# Altium PCB Diff_to_SingleEnded.PcbDoc (part 1 of 2)
Units mil, origin at the board's own origin, x right, y up, seen from the top; angles counter-clockwise.
Board outline 2637.8 x 3543.31 mil, 4 copper layers (Top Layer, GND, 5V, Bottom Layer), stack 23.756 mil thick; 147 components, 99 nets, 427 pads, 69 vias.
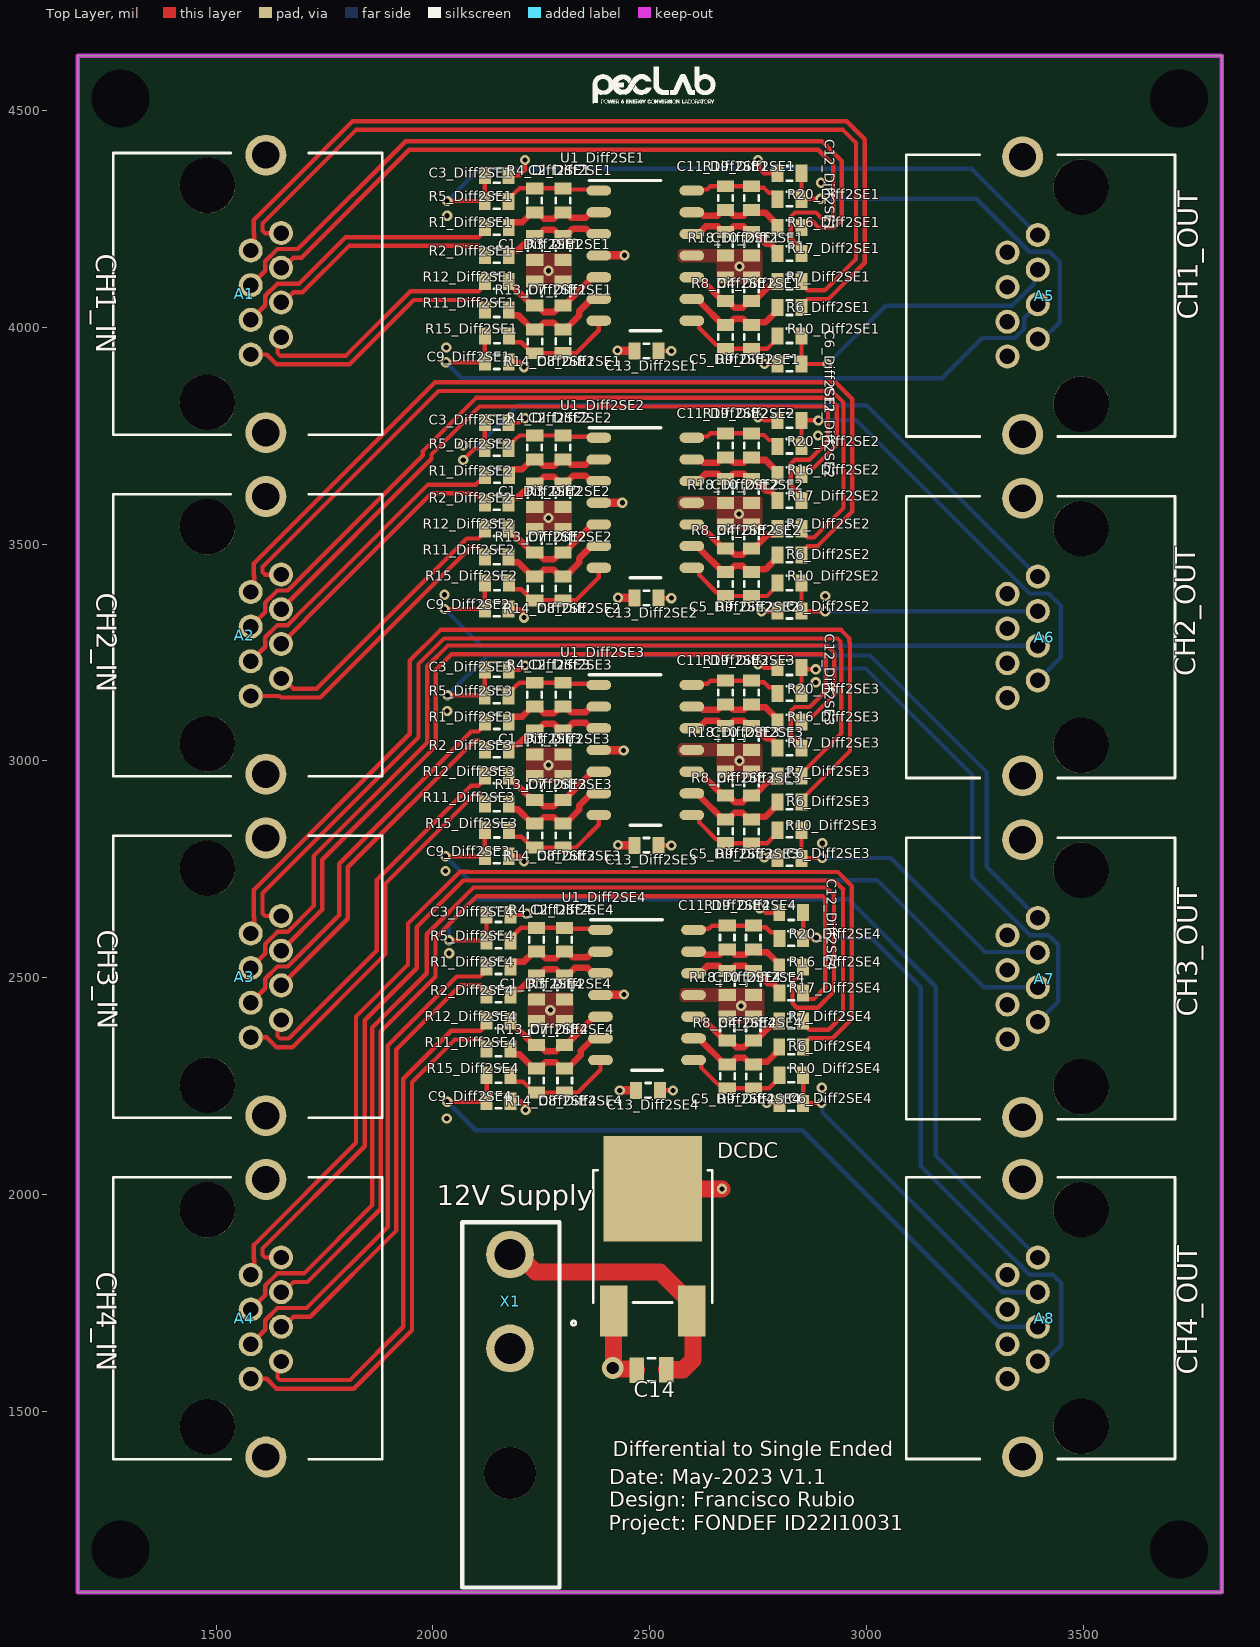
[diagram p0: Top Layer view]
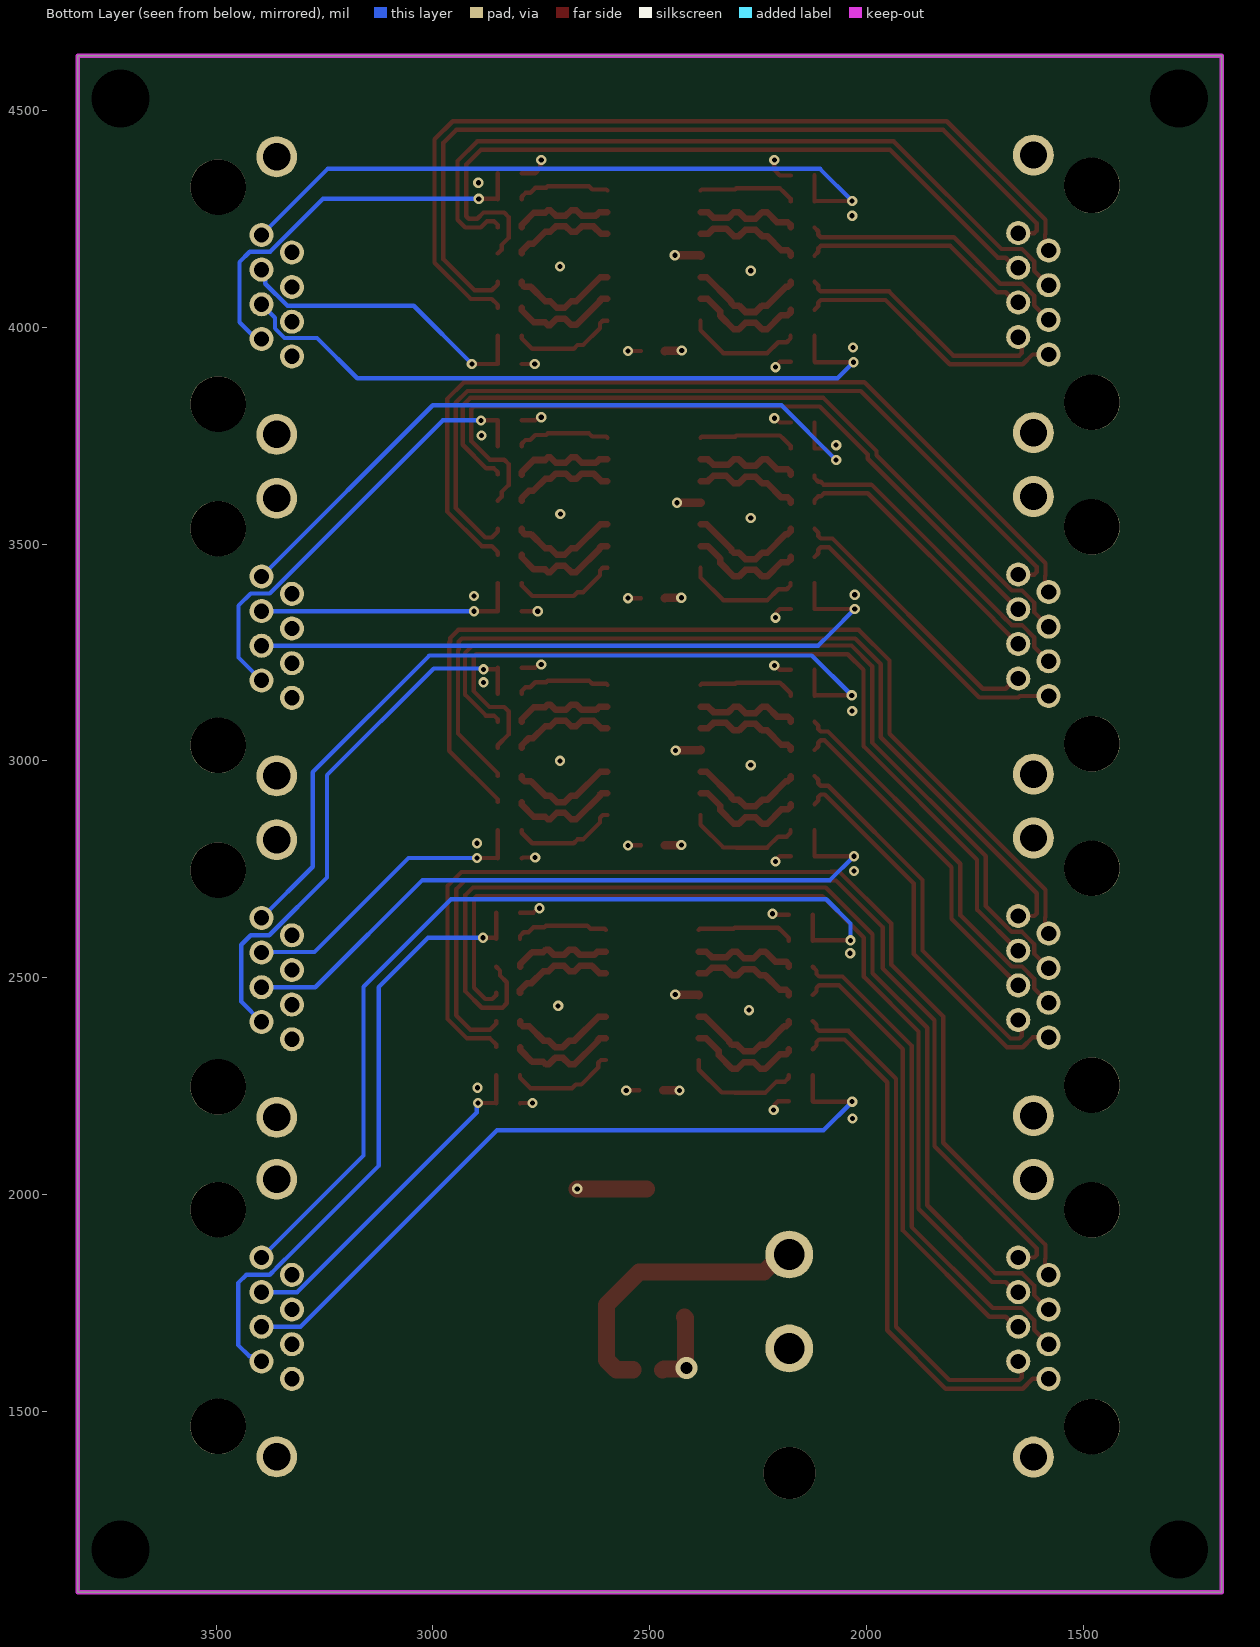
[diagram p1: Bottom Layer view, seen from below]
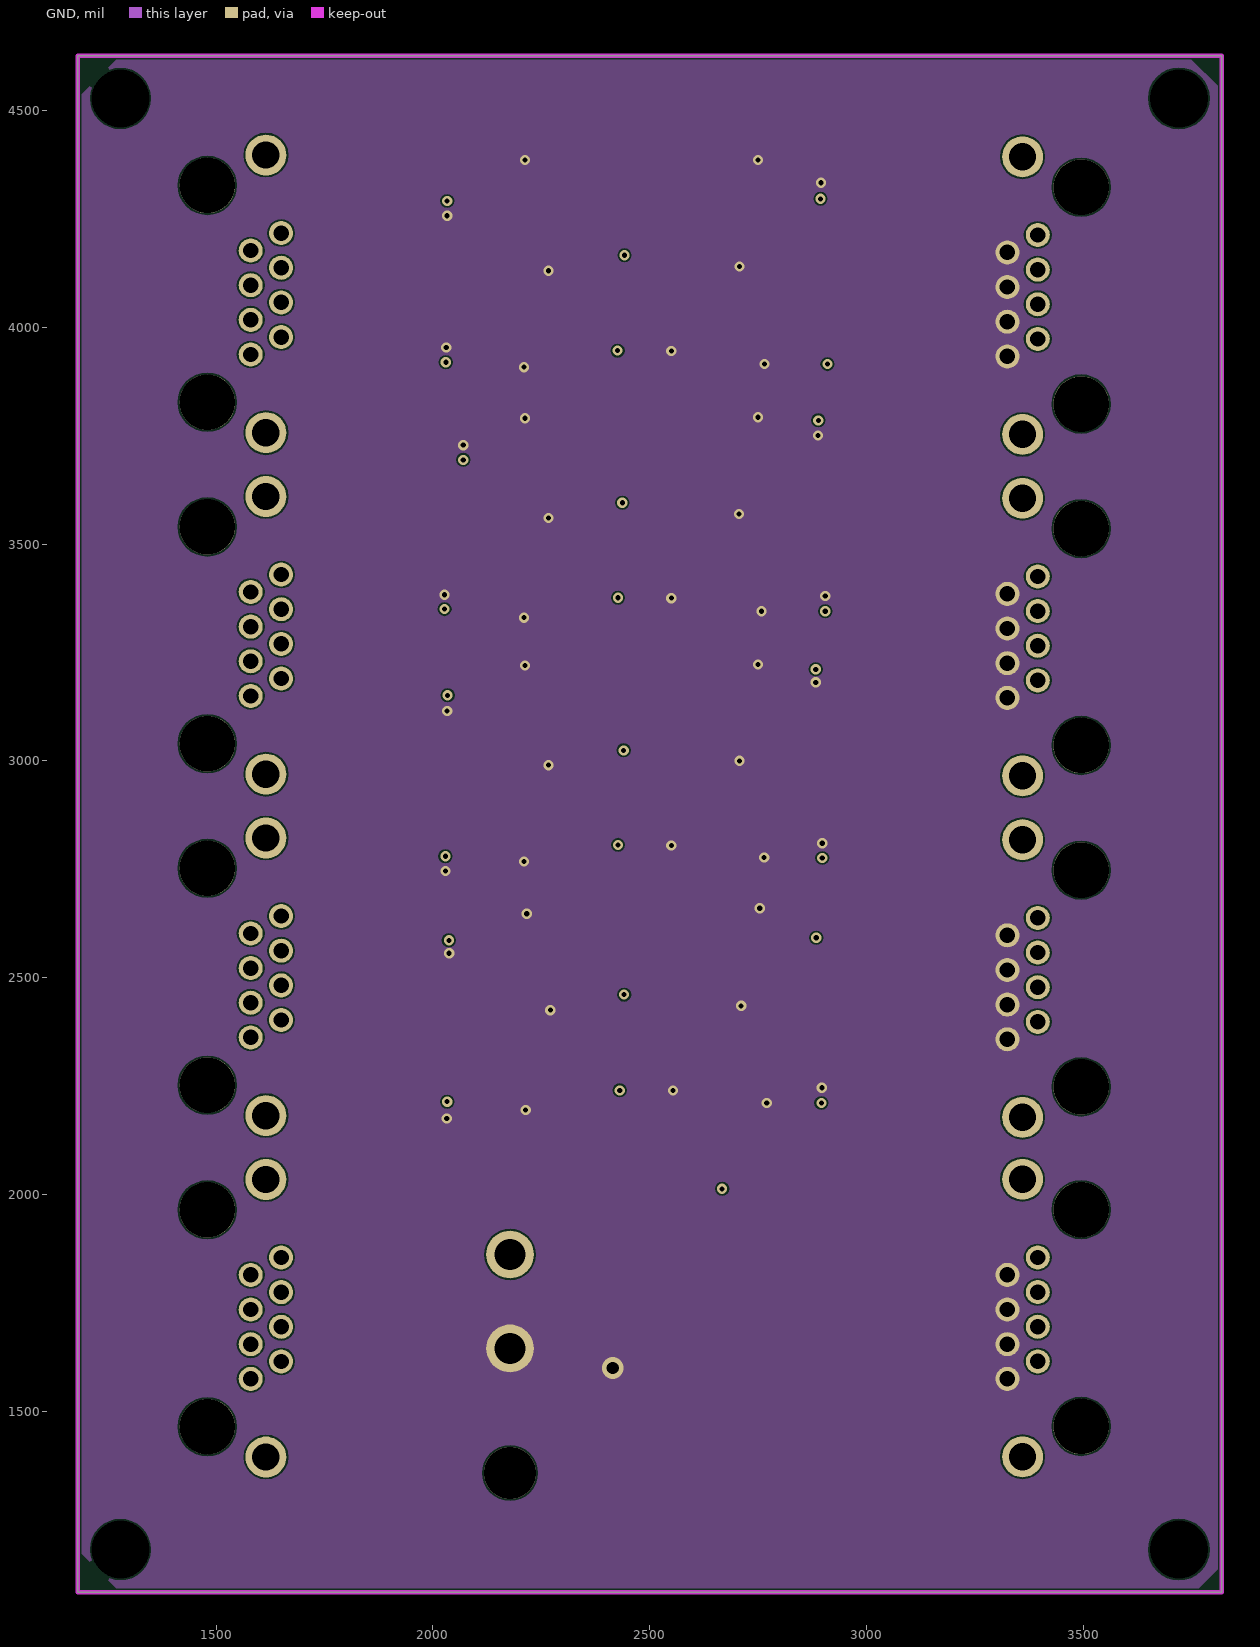
[diagram p2: GND]
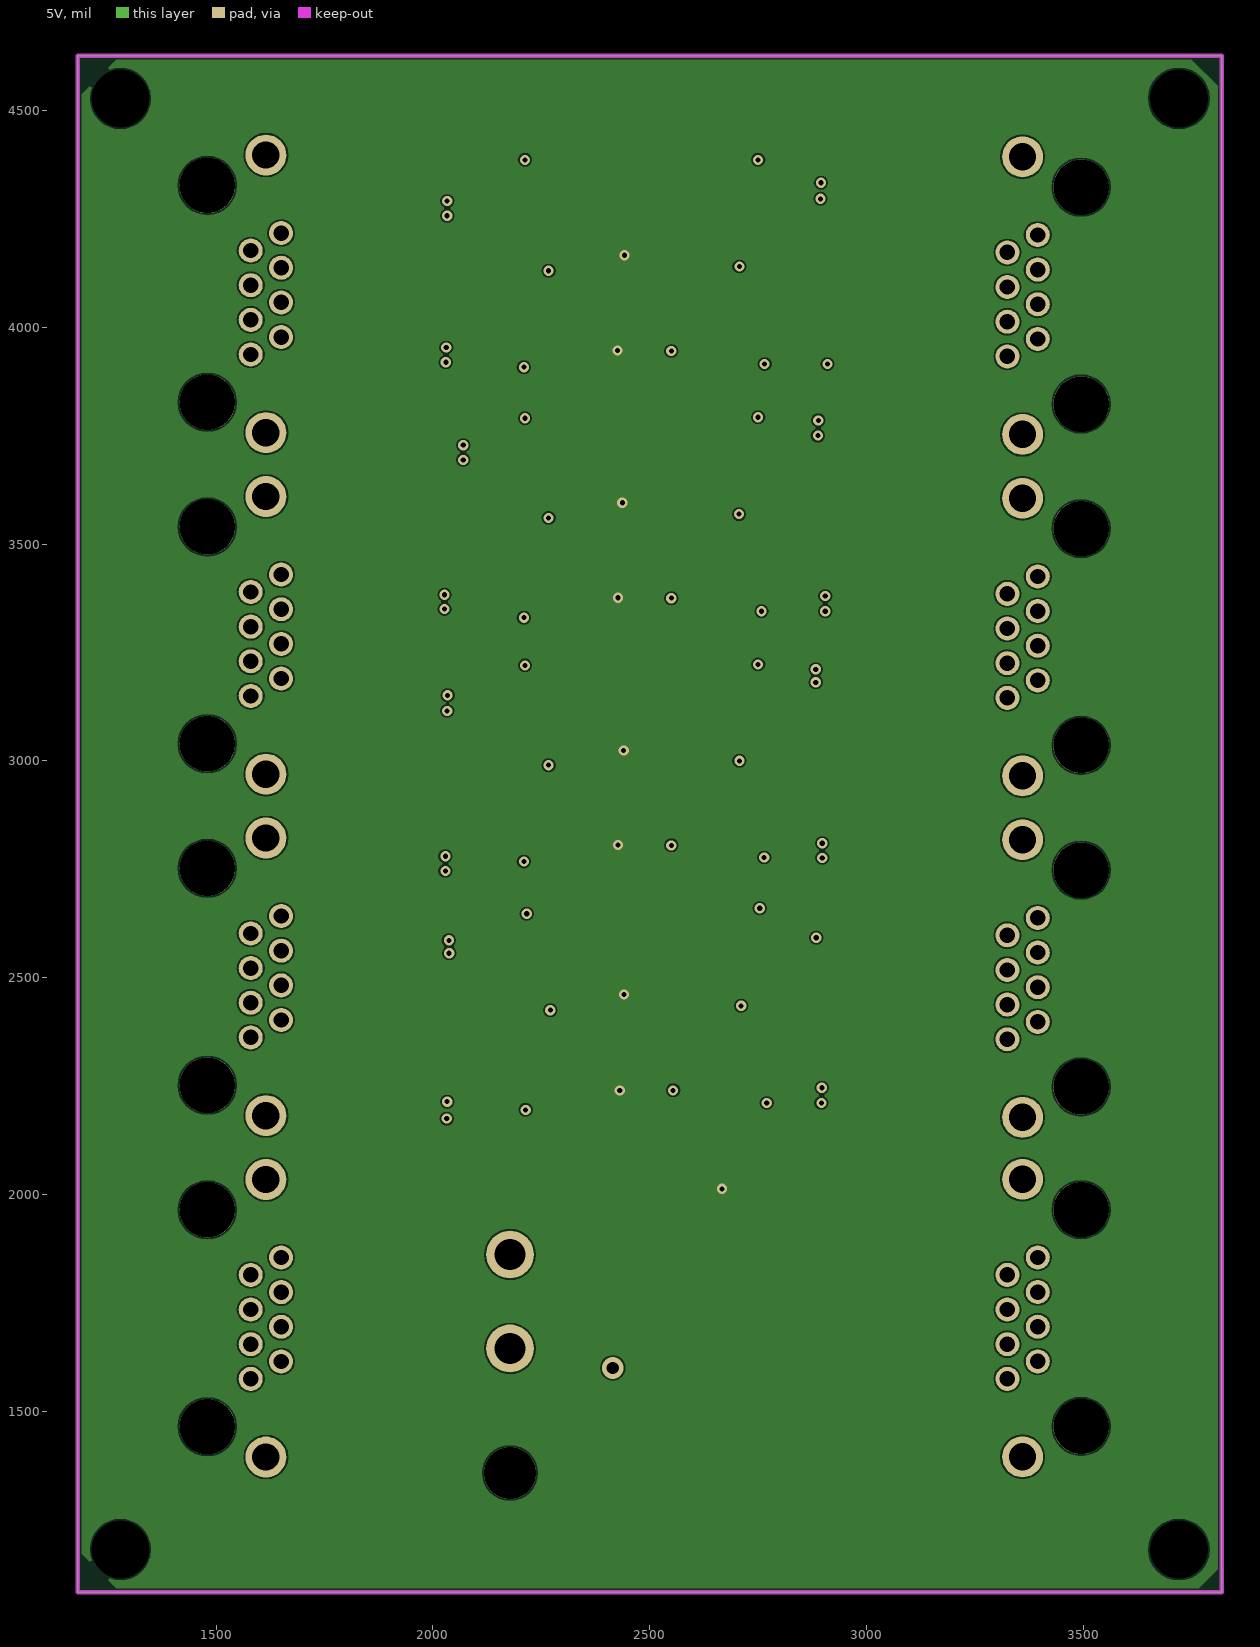
[diagram p3: 5V]
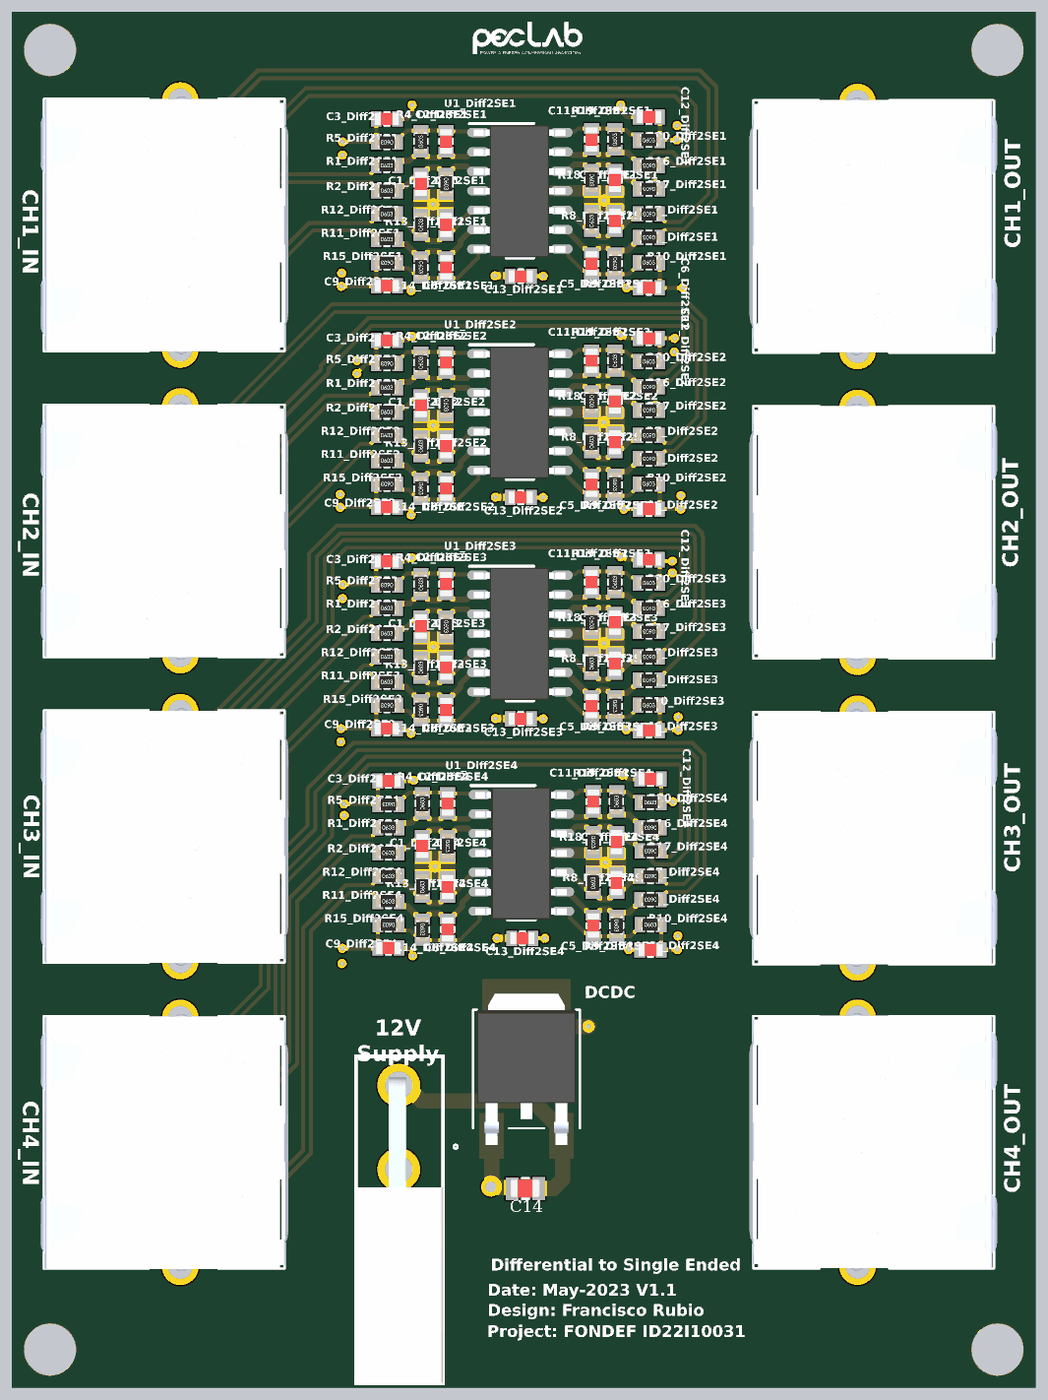
[diagram p5: 3D render of the assembled board from above, using the file's embedded part models]

## Layer stack, top to bottom
Top Solder: solder mask 0.4, Solder Resist, Dk 3.5
Top Layer: signal copper 1.4
Dielectric 2: prepreg 2.8, PP-006, Dk 4.1
GND: signal copper 1.378
Dielectric 1: dielectric 12.6, FR-4, Dk 4.8
5V: signal copper 1.378
Dielectric 3: prepreg 2.8, PP-006, Dk 4.1
Bottom Layer: signal copper 1.4
Bottom Solder: solder mask 0.4, Solder Resist, Dk 3.5

## Board outline
1181.1,1082.68 3818.9,1082.68 3818.9,4625.98 1181.1,4625.98

## Design rules (kind name [scope] priority, off if disabled: settings)
Clearance [All] p1: gap=3.94 ignorepadtopadclearanceinfootprint=FALSE except(0: Arc-Hole Track-Hole SMDPad-Hole THPad-Hole Via-Hole Fill-Hole Poly-Hole Region-Hole Text-Hole; 6: Arc-Arc Arc-Track Arc-SMDPad Track-Track Track-SMDPad)
DiffPairsRouting [All] p1: maxlimit=10 minlimit=10 mostfreqgap=10 toplayer_minwidth=10 toplayer_maxwidth=15.17 toplayer_prefwidth=10 midlayer1_minwidth=15 midlayer1_maxwidth=15 midlayer1_prefwidth=15 midlayer2_minwidth=15 midlayer2_maxwidth=15 midlayer2_prefwidth=15 bottomlayer_minwidth=10 bottomlayer_maxwidth=10 bottomlayer_prefwidth=10 maxuncoupledlength=500
PlaneClearance [All] p1: clearance=0
PolygonConnect [All] p1: connectstyle=Direct reliefconductorwidth=10 reliefentries=4 polygonreliefangle="90 Angle" airgapwidth=10
RoomDefinition Diff2SE4 [InComponentClass('Diff2SE4')] p1: confinementstyle=ConfineIn formatcopy=TRUE lockcomponents=FALSE outline 2024,2145 2969,2145 2969,2710 2024,2710
RoomDefinition Diff2SE3 [InComponentClass('Diff2SE3')] p2: confinementstyle=ConfineIn formatcopy=TRUE lockcomponents=FALSE outline 2020,2710 2965,2710 2965,3275 2020,3275
RoomDefinition Diff2SE2 [InComponentClass('Diff2SE2')] p3: confinementstyle=ConfineIn formatcopy=TRUE lockcomponents=FALSE outline 2020,3280.12 2965,3280.12 2965,3845.12 2020,3845.12
RoomDefinition Diff2SE1 [InComponentClass('Diff2SE1')] p4: confinementstyle=ConfineIn formatcopy=TRUE lockcomponents=FALSE outline 2020,3850 2965,3850 2965,4415 2020,4415
RoutingVias [All] p1: holewidth=11.81 width=23.62 viastyle="Through Hole" minholewidth=11.81 minwidth=23.62 maxholewidth=11.81 maxwidth=23.62
SilkToSolderMaskClearance [IsPad] p1: minsilkscreentomaskgap=0 clearancetoexposedcopper=TRUE
SolderMaskExpansion [All] p1: expansion=4 istentingtop=FALSE
Width [All] p1: maxlimit=39.37 minlimit=10 preferedwidth=19.68 midlayer1_maxwidth=10 midlayer1_prefwidth=10 midlayer2_maxwidth=10 midlayer2_prefwidth=10 minimp=50.000000 maximp=50.000000 favimp=50.000000
27 further rules are at their usual default settings.

## Classes and differential pairs
net class ADC_OUTD_[1..4]: ADC_OUTD_1 ADC_OUTD_2 ADC_OUTD_3 ADC_OUTD_4
net class ADC_OUTC_[1..4]: ADC_OUTC_1 ADC_OUTC_2 ADC_OUTC_3 ADC_OUTC_4
net class ADC_OUTB_[1..4]: ADC_OUTB_1 ADC_OUTB_2 ADC_OUTB_3 ADC_OUTB_4
net class ADC_OUTA_[1..4]: ADC_OUTA_1 ADC_OUTA_2 ADC_OUTA_3 ADC_OUTA_4
channel class Diff2SE: Diff2SE1 Diff2SE2 Diff2SE3 Diff2SE4
net class ADC_IND-_[1..4]: ADC_IND-_1 ADC_IND-_2 ADC_IND-_3 ADC_IND-_4
net class ADC_IND+_[1..4]: ADC_IND+_1 ADC_IND+_2 ADC_IND+_3 ADC_IND+_4
net class ADC_INC-_[1..4]: ADC_INC-_1 ADC_INC-_2 ADC_INC-_3 ADC_INC-_4
net class ADC_INC+_[1..4]: ADC_INC+_1 ADC_INC+_2 ADC_INC+_3 ADC_INC+_4
net class ADC_INB-_[1..4]: ADC_INB-_1 ADC_INB-_2 ADC_INB-_3 ADC_INB-_4
net class ADC_INB+_[1..4]: ADC_INB+_1 ADC_INB+_2 ADC_INB+_3 ADC_INB+_4
net class ADC_INA-_[1..4]: ADC_INA-_1 ADC_INA-_2 ADC_INA-_3 ADC_INA-_4
net class ADC_INA+_[1..4]: ADC_INA+_1 ADC_INA+_2 ADC_INA+_3 ADC_INA+_4
component class Diff2SE4: C1_Diff2SE4 C2_Diff2SE4 C3_Diff2SE4 C4_Diff2SE4 C5_Diff2SE4 C6_Diff2SE4 C7_Diff2SE4 C8_Diff2SE4 C9_Diff2SE4 C10_Diff2SE4 C11_Diff2SE4 C12_Diff2SE4 C13_Diff2SE4 R1_Diff2SE4 R2_Diff2SE4 R3_Diff2SE4 R4_Diff2SE4 R5_Diff2SE4 R6_Diff2SE4 R7_Diff2SE4 R8_Diff2SE4 R9_Diff2SE4 R10_Diff2SE4 R11_Diff2SE4 R12_Diff2SE4 R13_Diff2SE4 R14_Diff2SE4 R15_Diff2SE4 R16_Diff2SE4 R17_Diff2SE4 R18_Diff2SE4 R19_Diff2SE4 R20_Diff2SE4 U1_Diff2SE4
component class Diff2SE3: C1_Diff2SE3 C2_Diff2SE3 C3_Diff2SE3 C4_Diff2SE3 C5_Diff2SE3 C6_Diff2SE3 C7_Diff2SE3 C8_Diff2SE3 C9_Diff2SE3 C10_Diff2SE3 C11_Diff2SE3 C12_Diff2SE3 C13_Diff2SE3 R1_Diff2SE3 R2_Diff2SE3 R3_Diff2SE3 R4_Diff2SE3 R5_Diff2SE3 R6_Diff2SE3 R7_Diff2SE3 R8_Diff2SE3 R9_Diff2SE3 R10_Diff2SE3 R11_Diff2SE3 R12_Diff2SE3 R13_Diff2SE3 R14_Diff2SE3 R15_Diff2SE3 R16_Diff2SE3 R17_Diff2SE3 R18_Diff2SE3 R19_Diff2SE3 R20_Diff2SE3 U1_Diff2SE3
component class Diff2SE2: C1_Diff2SE2 C2_Diff2SE2 C3_Diff2SE2 C4_Diff2SE2 C5_Diff2SE2 C6_Diff2SE2 C7_Diff2SE2 C8_Diff2SE2 C9_Diff2SE2 C10_Diff2SE2 C11_Diff2SE2 C12_Diff2SE2 C13_Diff2SE2 R1_Diff2SE2 R2_Diff2SE2 R3_Diff2SE2 R4_Diff2SE2 R5_Diff2SE2 R6_Diff2SE2 R7_Diff2SE2 R8_Diff2SE2 R9_Diff2SE2 R10_Diff2SE2 R11_Diff2SE2 R12_Diff2SE2 R13_Diff2SE2 R14_Diff2SE2 R15_Diff2SE2 R16_Diff2SE2 R17_Diff2SE2 R18_Diff2SE2 R19_Diff2SE2 R20_Diff2SE2 U1_Diff2SE2
component class Diff2SE1: C1_Diff2SE1 C2_Diff2SE1 C3_Diff2SE1 C4_Diff2SE1 C5_Diff2SE1 C6_Diff2SE1 C7_Diff2SE1 C8_Diff2SE1 C9_Diff2SE1 C10_Diff2SE1 C11_Diff2SE1 C12_Diff2SE1 C13_Diff2SE1 R1_Diff2SE1 R2_Diff2SE1 R3_Diff2SE1 R4_Diff2SE1 R5_Diff2SE1 R6_Diff2SE1 R7_Diff2SE1 R8_Diff2SE1 R9_Diff2SE1 R10_Diff2SE1 R11_Diff2SE1 R12_Diff2SE1 R13_Diff2SE1 R14_Diff2SE1 R15_Diff2SE1 R16_Diff2SE1 R17_Diff2SE1 R18_Diff2SE1 R19_Diff2SE1 R20_Diff2SE1 U1_Diff2SE1
component class main: A1 A2 A3 A4 A5 A6 A7 A8 C14 X1
differential pair ADC_IND_4: +ADC_IND+_4 -ADC_IND-_4
differential pair ADC_INC_4: +ADC_INC+_4 -ADC_INC-_4
differential pair ADC_INB_4: +ADC_INB+_4 -ADC_INB-_4
differential pair ADC_IND_3: +ADC_IND+_3 -ADC_IND-_3
differential pair ADC_INC_3: +ADC_INC+_3 -ADC_INC-_3
differential pair ADC_INB_3: +ADC_INB+_3 -ADC_INB-_3
differential pair ADC_IND_2: +ADC_IND+_2 -ADC_IND-_2
differential pair ADC_INC_2: +ADC_INC+_2 -ADC_INC-_2
differential pair ADC_INB_2: +ADC_INB+_2 -ADC_INB-_2
differential pair ADC_IND_1: +ADC_IND+_1 -ADC_IND-_1
differential pair ADC_INC_1: +ADC_INC+_1 -ADC_INC-_1
differential pair ADC_INB_1: +ADC_INB+_1 -ADC_INB-_1
differential pair ADC_INA_4: +ADC_INA+_4 -ADC_INA-_4
differential pair ADC_INA_3: +ADC_INA+_3 -ADC_INA-_3
differential pair ADC_INA_2: +ADC_INA+_2 -ADC_INA-_2